# KiCad board keyboard_v2.kicad_pcb (continued)
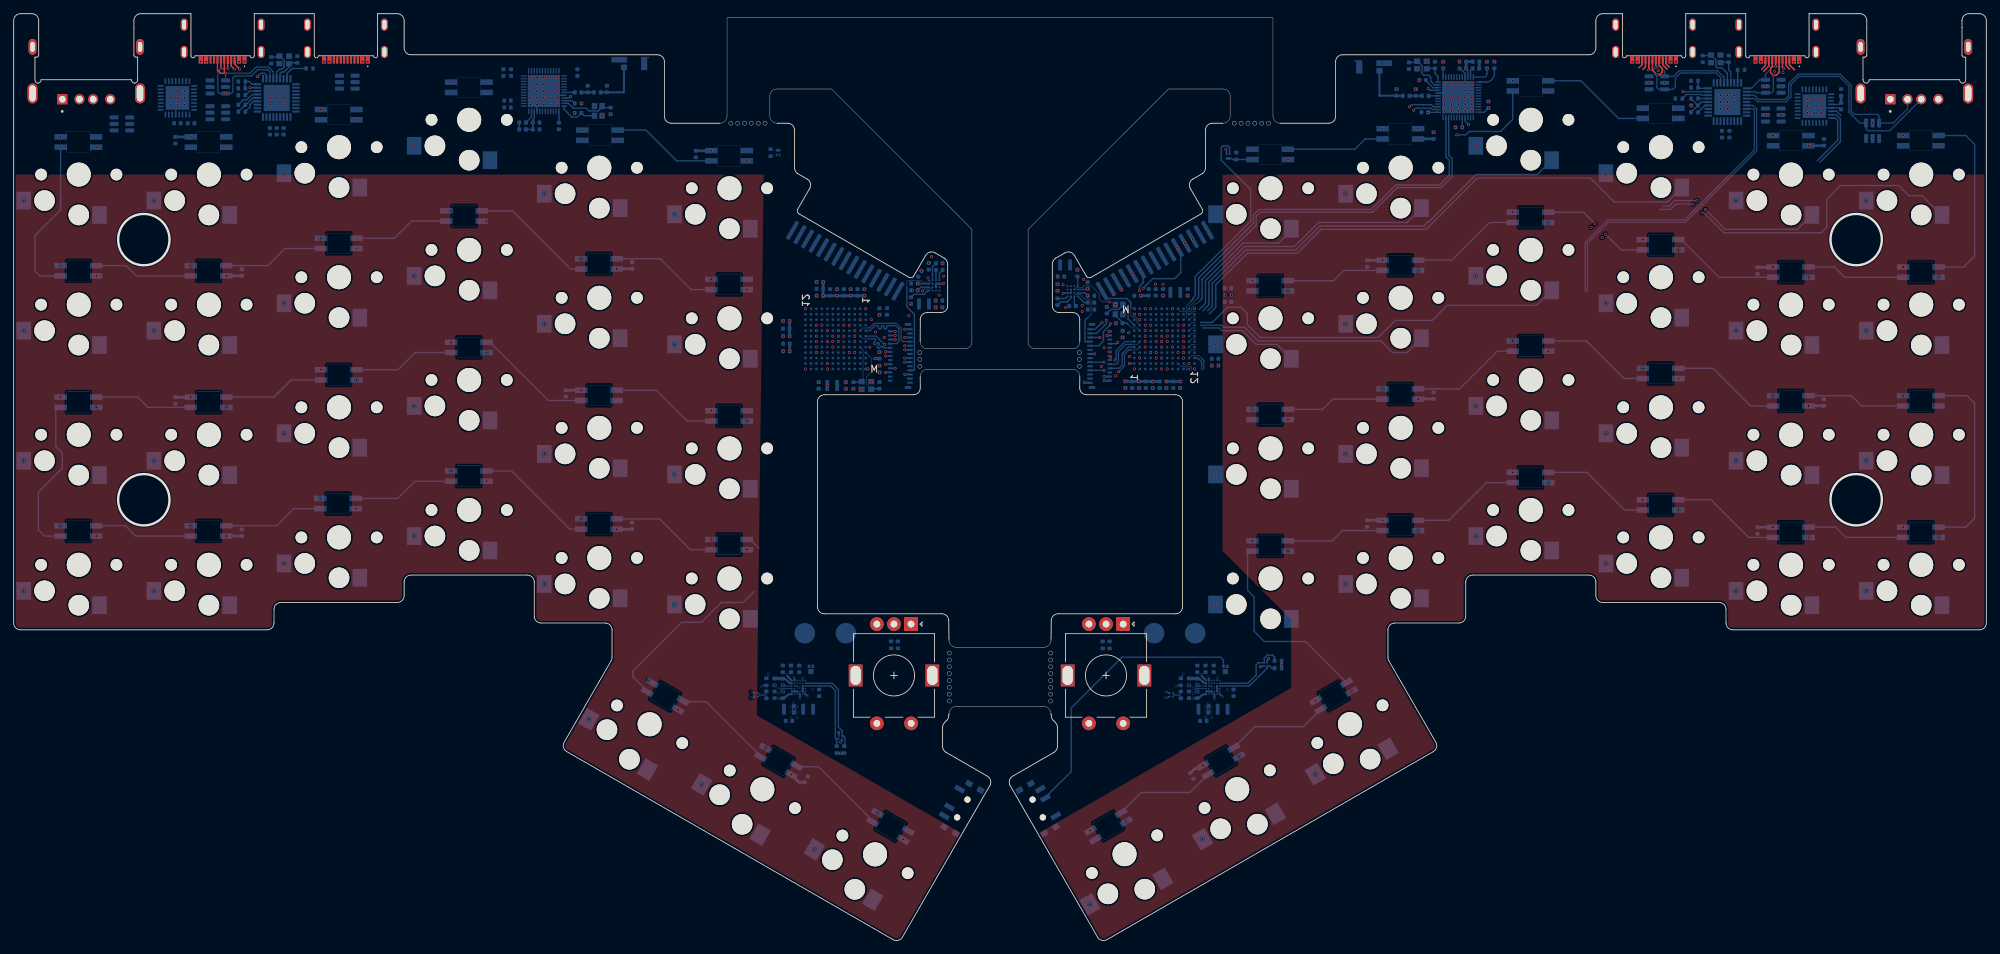
[diagram p0: board, top side]
## Nets (continued)
/Right/Display/VOUT: C404.1 U401.D1
/Right/Keys/ENC_A: R708.2
/Right/Keys/ENC_B: R709.2 SW701.A SW701.B
/Right/Keys/ENC_SW: SW701.S1
/Right/Keys/KEY_A7: SW703.2
/Right/Keys/KEY_A8: SW708.2
/Right/Keys/KEY_A9: SW713.2
/Right/Keys/KEY_A10: SW717.2
/Right/Keys/KEY_A11: SW721.2
/Right/Keys/KEY_A12: SW725.2
/Right/Keys/KEY_B7: SW704.2
/Right/Keys/KEY_B8: SW709.2
/Right/Keys/KEY_B9: SW714.2
/Right/Keys/KEY_B10: SW718.2
/Right/Keys/KEY_B11: SW722.2
/Right/Keys/KEY_B12: SW726.2
/Right/Keys/KEY_C7: SW705.2
/Right/Keys/KEY_C8: SW710.2
/Right/Keys/KEY_C9: SW715.2
/Right/Keys/KEY_C10: SW719.2
/Right/Keys/KEY_C11: SW723.2
/Right/Keys/KEY_C12: SW727.2
/Right/Keys/KEY_D7: SW706.2
/Right/Keys/KEY_D8: SW711.2
/Right/Keys/KEY_D9: SW716.2
/Right/Keys/KEY_D10: SW720.2
/Right/Keys/KEY_D11: SW724.2
/Right/Keys/KEY_D12: SW728.2
/Right/Keys/KEY_E4: SW712.2
/Right/Keys/KEY_E5: SW707.2
/Right/Keys/KEY_E6: SW702.2
/Right/Keys/LED1: D701.4 Q701.3 R701.2
/Right/Keys/LED2: D701.2 D704.4
/Right/Keys/LED3: D704.2 D707.4
/Right/Keys/LED4: D707.2 D710.4
/Right/Keys/LED5: D710.2 D713.4
/Right/Keys/LED6: D713.2 D716.4
/Right/Keys/LED7: D716.2 D719.4
/Right/Keys/LED8: D719.2 D722.4
/Right/Keys/LED9: D722.2 D725.4
/Right/Keys/LED10: D702.4 D725.2
/Right/Keys/LED11: D702.2 D705.4
/Right/Keys/LED12: D705.2 D708.4
/Right/Keys/LED13: D708.2 D711.4
/Right/Keys/LED14: D711.2 D714.4
/Right/Keys/LED15: D714.2 D717.4
/Right/Keys/LED16: D717.2 D720.4
/Right/Keys/LED17: D720.2 D723.4
/Right/Keys/LED18: D723.2 D726.4
/Right/Keys/LED19: D703.4 D726.2
/Right/Keys/LED20: D703.2 D706.4
/Right/Keys/LED21: D706.2 D709.4
/Right/Keys/LED22: D709.2 D712.4
/Right/Keys/LED23: D712.2 D715.4
/Right/Keys/LED24: D715.2 D718.4
/Right/Keys/LED25: D718.2 D721.4
/Right/Keys/LED26: D721.2 D724.4
/Right/Keys/LED27: D724.2 D727.4
/Right/Keys/NEOPIXEL: Q701.2 U801.M9
/Right/Main MCU/OSC_IN: C823.2 U801.H2 Y802.3
/Right/Main MCU/OSC_OUT: C824.2 U801.J1 Y802.1
/Right/Main MCU/PWR_ENCHG: IC501.F3
/Right/Main MCU/PWR_INT: IC501.A6
/Right/Main MCU/PWR_MR: IC501.E4 R501.2
/Right/Main MCU/RST: J301.15 U801.J2
/Right/Main MCU/SCL: IC501.A4 R802.2 U802.A2
/Right/Main MCU/SDA: IC501.A5 R801.2 U802.B1
/Right/Main MCU/SWCLK: J301.13 U801.B11
/Right/Main MCU/SWDIO: J301.14 U801.C10
/Right/Main MCU/USB_RST: J301.10 U604.6 U801.M3
/Right/Main MCU/USB_UART_RX: U604.7 U801.A8
/Right/Main MCU/USB_UART_TX: U604.8 U801.B7
/Right/Main MCU/VLXSMPS: L801.2 U801.M7
/Right/Main MCU/VREF+: C812.1 U801.H3
/Right/Power/BAT: Q501.3 SW502.1 TP501.1
/Right/Power/BAT_SW: Q501.1 SW502.2
/Right/Power/ISYS: U501.B2
/Right/Power/SW_1V8: IC501.E1 L501.1
/Right/Power/SWA_3V3: IC501.B1 L502.1
/Right/Power/SWB_3V3: IC501.A2 L502.2
/Right/Power/THR: IC501.B6 R502.1
/Right/Power/VSYS_MON: C504.1 IC501.E6 R503.1 U501.A1
/Right/USB/CFG_SEL1: R606.1 U605.25
/Right/USB/RBIAS: R605.1 U605.35
/Right/USB/SCL: R602.2 U604.19 U605.24
/Right/USB/SDA: R601.2 U604.21 U605.22
/Right/USB/SWCLK: J301.8 U604.25
/Right/USB/SWDIO: J301.9 U604.24
/Right/USB/USB0_CC1: J601.A5 U601.1 U604.18
/Right/USB/USB0_CC2: J601.B5 U601.3 U604.17
/Right/USB/USB0_DN: J601.A7 J601.B7 U601.6 U605.30
/Right/USB/USB0_DP: J601.A6 J601.B6 U601.4 U605.31
/Right/USB/USB0_RX: J601.B8 U606.6
/Right/USB/USB0_TX: J601.A8 U606.4
/Right/USB/USB1_CC1: J602.A5 U602.1 U604.26
/Right/USB/USB1_CC2: J602.B5 U602.3 U604.28
/Right/USB/USB1_DN: J602.A7 J602.B7 U602.6 U605.1
/Right/USB/USB1_DP: J602.A6 J602.B6 U602.4 U605.2
/Right/USB/USB1_RX: J602.B8 U606.3
/Right/USB/USB1_TX: J602.A8 U606.1
/Right/USB/USB2_DN: J603.2 U603.3 U605.3
/Right/USB/USB2_DP: J603.3 U603.1 U605.4
/Right/USB/USB3_DN: U605.6 U801.C12
/Right/USB/USB3_DP: U605.7 U801.C11
/Right/USB/USB_RST: U605.26
/Right/USB/XTAL1: C605.1 U605.33 Y601.3
/Right/USB/XTAL2: C604.1 U605.32 Y601.1

Pads without a net: D727 2; D1227 2; IC501 B5 C2 C5 D5 E3 E5; IC1401 B5 C2 C5 D5 E3 E5; J401 3 13; J1101 3 13; U603 4 6; U604 1 2 3 9 10 11 12 13 14 15 16 22 23 27 29 30 31 32; U605 5 8 9 11 12 13 16 17 18 19 20 21 28 34; U801 A2 A3 A4 A5 A9 A10 A11 B2 B3 B4 B5 B6 B8 B9 B10 B12 C1 C3 C4 C7 C8 C9 D2 D3 D6 D7 D8 D11 D12 E4 E5 E7 E9 E11 E12 F4 F8 F9 F11 F12 G1 G2 G4 G5 G9 G11 G12 H4 H6 H8 H9 H11 H12 J5 J6 J7 J8 J11 J12 K1 K3 K4 K5 K6 K7 K8 K9 K11 K12 L3 L4 L5 L6 L7 L9 L10 L11 L12 M2 M5 M6 M10; U901 2 3 4 5 6 7 8 9 10 11 13 14 15 18 19 20 21 24 28 29 30 38 39 40 41 42 43 44; U1001 2 3 4 5 6 7 8 9 10 11 13 14 15 18 19 20 21 24 28 29 30 38 39 40 41 42 43 44; U1301 A2 A3 A4 A5 A6 A7 A8 A9 A10 A11 B1 B2 B3 B4 B5 B6 B7 B8 B9 B10 B12 C1 C3 C4 C6 C7 C8 C9 D2 D3 D6 D7 D8 D11 D12 E4 E5 E7 E9 E11 E12 F4 F8 F9 F11 F12 G1 G2 G4 G5 G9 G11 G12 H4 H6 H8 H9 H11 H12 J5 J6 J7 J8 J11 J12 K1 K2 K3 K4 K5 K6 K7 K8 K9 K10 K11 K12 L1 L2 L3 L4 L5 L6 L7 L9 L10 L11 L12 M2 M3 M4 M5 M6 M9 M10 M11; U1503 4 6; U1504 1 2 3 7 8 9 10 11 12 13 14 15 16 22 23 27 29 30 31 32; U1505 5 8 9 11 12 13 16 17 18 19 20 21 28 34

## Via types
v1: diameter 0.4, hole 0.3, Top to Bottom, 599 vias

## Routing (per net, layer and track width the routed paths; a pad name or vN(x,y) marks a point on that pad's centre or on a via; arc(x,y) is an arc through that point)
+1V8: length 31.6
  Bottom w0.15: 113.99,33.68 v1(113.91,33.75) ; 174.5,33.68 v1(174.43,33.75)
  Bottom w0.2: v1(177,115.55) 177.07,115.48 Q701.1 ; U802.A1 182.1,40.05 v1(182,39.95) ; U901.12 214.68,120.95 215.28,121.55 v1(215.3,121.55) C912.1 ; 121.24,27.34 R1301.1 ; v1(120.45,30.35) U1302.A1 ; U901.48 214.64,126.1 arc(214.95,126.23) 215.08,126.55 215.08,127.34 v1(215.1,127.35) 215.08,127.37 C910.1 ; v1(211.48,118.75) 211.5,118.77 U901.17 ; v1(206.5,120.95) U901.25 ; C1007.1 U1001.37 ; J1101.17 v1(130.1,84.45) ; U901.37 v1(208.7,127.37) ; J1101.5 v1(130.1,88.05) ; 162.32,81.63 v1(162.3,81.65)
  Bottom w0.4: 121.24,27.34 v1(120.73,27.34) R1302.1 ; R801.1 v1(185.11,40.26) R802.1 ; v1(164.58,94.15) 164.6,94.17 C807.1 ; v1(113.3,86.05) C1319.1 ; C805.1 162.32,81.63 ; v1(124.2,94.15) v1(118.18,94.15) v1(118.18,96.15)
  vias: v1(113.48,34.09) v1(113.49,33.35) v1(113.49,32.55) v1(113.89,34.65) v1(114.39,34.15) v1(114.39,33.35) v1(114.39,32.55) v1(117.2,89.05) v1(117.2,87.45) v1(117.2,85.85) v1(118.8,89.05) v1(118.8,87.45) v1(118.8,83.45) v1(119.6,86.65) v1(120.2,94.15) v1(121.2,88.25) v1(121.2,86.65) v1(121.5,81.53) v1(122,85.85) v1(122.2,94.15) v1(122.8,89.05) v1(123.6,90.65) v1(126.4,83.93) v1(163.3,97.38) v1(164.3,81.63) v1(164.4,85.05) v1(165.2,86.65) v1(166,89.85) v1(166.3,81.63) v1(166.8,89.05) v1(166.8,87.45) v1(168.4,89.05) v1(169.2,92.25) v1(169.2,88.25) v1(169.2,86.65) v1(170.8,89.85) v1(170.8,88.25) v1(170.8,86.65) v1(171.4,94.17) v1(173.99,34.09) v1(174,33.35) v1(174,32.55) v1(174.4,34.65) v1(174.92,83.95) v1(174.9,34.15) v1(174.9,33.35) v1(174.9,32.55) v1(176.9,94.25)
+3V3: length 19.3
  Bottom w0.2: 113.28,90.43 v1(113.3,90.45) ; U605.23 246.38,122.45 C608.1 ; R601.1 245.88,121.94 C608.1 ; U604.4 266.57,122.1 C601.1 ; U1505.29 36.9,126.35 36.6,126.65 36.1,126.65 v1(35.6,126.15) ; R1501.1 33.8,122.05 R1502.1 33.9,122.05 34.9,123.05 U1505.23 ; R602.1 245.88,121.96 C608.1 ; J1101.23 v1(130.1,82.65) ; J401.23 v1(158.6,88.05)
  Bottom w0.4: v1(170.3,81.63) v1(168.3,81.63) ; C602.1 C601.1 ; v1(113.28,88.25) 113.28,90.43
  vias: v1(116.69,36.65) v1(117.2,89.85) v1(120.4,89.05) v1(167.6,86.65) v1(170.8,85.85) v1(177.2,36.65)
/Left/Display/AVDD: length 2.6
  Bottom w0.2: J1101.4 v1(128.7,88.35) ; v1(131.98,94.95) 132.43,95.4 U1101.D2
/Left/Display/AVDDEN: length 6.1
  In1.Cu w0.2: v1(132.7,94.85) 132.7,93.25 v1(130.7,91.25)
  Bottom w0.1: v1(132.7,94.85) 133,95.15 133.9,95.15 U1101.C2
/Left/Main MCU/VDD11:
  vias: v1(117.53,81.53) v1(118,85.85) v1(118.78,81.05) v1(122,89.85) v1(122.8,87.45) v1(126.4,91.35)
/Left/USB/VBUS_DET: length 3
  Bottom w0.2: U1505.27 34.8,125.05 34.4,125.45 R1503.1 R1504.2
/Right/Display/AVDD: length 2.3
  Bottom w0.2: U401.D2 156.69,95.06 156.78,95.15 v1(156.8,95.15) C406.1
  Bottom w0.3: J401.4 v1(159.2,82.35)
/Right/Display/AVDDEN: length 11.4
  In1.Cu w0.2: v1(160,93.25) 160,92.92 160.87,92.05 163,92.05 v1(163.6,91.45)
  Bottom w0.1: v1(160,93.25) 158.9,93.25 158.5,93.65 158.5,94.45 157.3,95.65 156.3,95.65 155.96,95.31 155.1,95.31 U401.C2
/Right/Main MCU/VDD11:
  vias: v1(165.2,88.25) v1(166,85.85) v1(167.8,94.17) v1(170,89.85)
/Right/USB/VBUS_DET: length 2.5
  Bottom w0.2: R604.2 R603.1 246.01,124.45 U605.27
GND: length 71.1
  Bottom w0.1: v1(254.3,128.35) 254.8,128.85 260.2,128.85 v1(260.7,128.35) ; v1(51.7,128.35) 51.2,128.85 45.8,128.85 v1(45.3,128.35) ; v1(33.7,128.35) 33.2,128.85 27.8,128.85 v1(27.3,128.35) ; v1(242.7,128.35) 242.2,128.85 236.8,128.85 v1(236.3,128.35)
  Bottom w0.12: IC1401.A1 IC1401.B2 ; IC501.A1 IC501.B2
  Bottom w0.15: IC1401.F4 112.41,37.15 v1(112.29,37.27) ; v1(172.8,37.27) 172.92,37.15 IC501.F4 ; R502.2 169.89,37.24 v1(169.7,37.05) ; v1(109.19,37.05) 109.38,37.24 R1402.2
  Bottom w0.2: U901.32 210.3,123.75 v1(210.9,123.15) v1(211.9,124.15) U901.45 211.9,126.64 211.19,127.35 C915.2 ; C1004.1 v1(81.9,120.85) ; U1504.5 23.65,122.8 v1(23.9,123.05) ; J1101.14 v1(127.3,85.35) ; 135.69,95.9 v1(135.74,95.95) ; U1001.32 78,123.45 v1(77.4,124.05) v1(76.4,123.05) U1001.45 ; v1(262.9,121.85) 263.15,121.6 U604.5 266.57,121.6 C601.2 ; 168.7,35.6 168.64,35.54 arc(168.54,35.47) 168.43,35.45 v1(168.15,35.45) ; J1101.6 v1(128.7,87.75) ; U401.B2 U401.B3 U401.A3 153.31,94.56 v1(153.2,94.45) ; U802.B2 182.98,40.9 v1(183.2,41.13) ; 108.19,35.6 108.13,35.54 arc(108.03,35.47) 107.92,35.45 v1(107.64,35.45) ; J1101.12 v1(127.3,85.95) ; U1302.B2 120.95,29.16 v1(120.75,28.96) ; J1101.15 v1(130.1,85.05) ; J1101.22 v1(127.3,82.95) ; J1101.18 v1(127.3,84.15)
  Bottom w0.3: IC1401.F1 113.46,35.95 arc(113.12,35.88) 112.83,35.69 112.64,35.5 arc(112.47,35.39) 112.28,35.35 v1(111.69,35.35) ; IC501.A1 v1(176.48,35.57) ; U1101.B2 U1101.B3 U1101.A3 135.69,95.9 ; IC1401.B2 IC1401.B3 IC1401.B4 ; IC501.F1 173.97,35.95 arc(173.63,35.88) 173.34,35.69 173.15,35.5 arc(172.98,35.39) 172.79,35.35 v1(172.2,35.35) ; IC1401.A1 v1(115.97,35.57) ; IC501.B2 IC501.B3 IC501.B4
  Bottom w0.4: v1(124.7,83.45) U1301.M1
  vias: v1(1.46,108.05) v1(1.46,89.05) v1(1.46,70.05) v1(1.46,51.05) v1(6.85,98.55) v1(6.85,60.55) v1(12.05,115.85) v1(12.05,77.85) v1(20.46,108.05) v1(20.46,89.05) v1(20.46,70.05) v1(20.46,51.05) v1(22.9,124.05) v1(22.9,123.05) v1(22.9,122.05) v1(23.9,124.05) v1(23.9,122.05) v1(24.9,124.05) v1(24.9,123.05) v1(24.9,122.05) v1(25.85,98.55) v1(25.85,60.55) v1(31.05,115.85) v1(31.05,77.85) v1(37.4,124.05) v1(37.4,123.05) v1(37.4,122.05) v1(38.4,124.05) v1(38.4,123.05) v1(38.4,122.05) v1(39.4,124.05) v1(39.4,123.05) v1(39.4,122.05) v1(39.46,112.05) v1(39.46,93.05) v1(39.46,74.05) v1(39.46,55.05) v1(44.75,64.55) v1(44.85,102.55) v1(50.05,119.85) v1(50.05,81.85) v1(58.46,116.05) v1(58.46,97.05) v1(58.46,78.05) v1(58.46,59.05) v1(63.85,106.55) v1(63.85,68.55) v1(69.05,123.85) v1(69.05,85.85) v1(75.4,126.05) v1(75.4,125.05) v1(75.4,124.05) v1(75.4,123.05) v1(75.4,122.05) v1(76.4,126.05) v1(76.4,125.05) v1(76.4,124.05) v1(76.4,122.05) v1(77.4,126.05) v1(77.4,125.05) v1(77.4,123.05) v1(77.4,122.05) v1(77.46,109.05) v1(77.46,90.05) v1(77.46,71.05) v1(77.46,52.05) v1(78.4,126.05) v1(78.4,125.05) v1(78.4,124.05) v1(78.4,123.05) v1(78.4,122.05) v1(79.4,126.05) v1(79.4,125.05) v1(79.4,124.05) v1(79.4,123.05) v1(79.4,122.05) v1(82.85,99.55) v1(82.85,61.55) v1(82.88,122.25) v1(83.99,32.28) v1(84.8,121.85) v1(85.9,120.45) v1(87.15,120.67) v1(88.2,116.85) v1(92.62,37.95) v1(96.46,106.05) v1(96.46,87.05) v1(96.46,68.05) v1(96.46,49.05) v1(100.44,22.78) v1(101.85,96.55) v1(101.85,58.55) v1(107.05,113.85) v1(107.05,75.85) v1(109.77,28.1) v1(112.34,90.45) v1(112.32,88.25) v1(112.34,86.05) v1(115.6,92.25) v1(115.6,83.45) v1(116.9,13.28) v1(117.22,96.15) v1(117.22,94.15) v1(117.2,88.25) v1(117.2,86.65) v1(117.53,80.57) v1(118,89.85) v1(118.8,84.25) v1(119.6,88.25) v1(119.6,87.45) v1(120.2,95.11) v1(120.4,88.25) v1(120.4,87.45) v1(121.2,89.85) v1(121.5,80.57) v1(122.2,95.11) v1(122.6,80.57) v1(122.8,88.25) v1(122.8,85.85) v1(123.8,80.5) v1(124.2,95.11) v1(124.4,92.25) v1(125,86.65) v1(125.2,90.65) v1(125.2,81.6) v1(125.8,88.85) v1(126.12,18.6) v1(126.4,85.93) v1(126.4,82.97) v1(127.1,88.05) v1(130.1,86.85) v1(130.9,93.05) v1(131.2,94.95) v1(132.54,97.77) v1(133.6,98.93) v1(134,99.85) v1(135.62,98.9) v1(135.58,93.45) v1(135.58,92.45) v1(135.74,97) v1(152.4,94.87) v1(153.38,96.95) v1(153.6,92.45) v1(155.3,97.93) v1(156.2,96.55) v1(157.12,5.27) v1(157.8,85.65) v1(158.8,83.85) v1(159.2,86.55) v1(159.6,92.53) v1(160.1,85.15) v1(160.85,92.85) v1(160.92,90.15) v1(160.9,82.45) v1(161.95,91.45) v1(161.9,88.07) v1(162.2,96.74) v1(162.3,80.69) v1(162.43,17.35) v1(162.8,88.75) v1(162.9,85.25) v1(163.6,92.25) v1(163.6,83.45) v1(164.3,80.67) v1(165.2,89.85) v1(165.2,87.45) v1(166.3,80.67) v1(166.7,95.85) v1(166.8,85.85) v1(167.6,88.25) v1(167.6,87.45) v1(167.8,95.85) v1(168.3,80.67) v1(168.4,88.25) v1(168.4,87.45) v1(169.2,91.45) v1(170,85.85) v1(170.3,80.67) v1(170.8,89.05) v1(170.8,87.45) v1(172.4,92.25) v1(172.4,83.45) v1(173.58,14.77) v1(175.46,87.05) v1(175.46,68.05) v1(175.46,49.05) v1(175.88,83.95) v1(177.78,94.25) v1(178.89,26.85) v1(180.85,115.55) v1(180.85,77.55) v1(186.05,94.85) v1(186.05,56.85) v1(190.03,24.27) v1(194.46,109.05) v1(194.46,90.05) v1(194.46,71.05) v1(194.46,52.05) v1(195.34,36.35) v1(199.85,118.55) v1(199.85,80.55) v1(201.9,124.33) v1(204.7,124.33) v1(204.9,127.3) v1(205.05,97.85) v1(205.05,59.85) v1(205.22,125.65) v1(206.3,128.4) v1(207.3,118.03) v1(208.7,128.33) v1(208.9,125.15) v1(208.9,124.15) v1(208.9,123.15) v1(208.9,122.15) v1(208.9,121.15) v1(209.9,125.15) v1(209.9,124.15) v1(209.9,123.15) v1(209.9,122.15) v1(209.9,121.15) v1(210.52,118.75) v1(210.9,125.15) v1(210.9,124.15) v1(210.9,122.15) v1(210.9,121.15) v1(211.08,128.35) v1(211.9,125.15) v1(211.9,123.15) v1(211.9,122.15) v1(211.9,121.15) v1(212.9,125.15) v1(212.9,124.15) v1(212.9,123.15) v1(212.9,122.15) v1(212.9,121.15) v1(213.46,116.05) v1(213.46,97.05) v1(213.46,78.05) v1(213.46,59.05) v1(215.08,128.33) v1(215.3,122.53) v1(216.19,128.33) v1(218.85,125.55) v1(218.85,87.55) v1(224.05,104.85) v1(224.05,66.85) v1(230.3,104.15) v1(231.9,102.65) v1(232.46,112.05) v1(232.46,93.05) v1(232.46,74.05) v1(232.46,55.05) v1(237.85,121.55) v1(237.85,83.55) v1(238.76,125.25) v1(240.1,127.05) v1(243.05,100.85) v1(243.05,62.85) v1(244.92,121.95) v1(249.2,123.45) v1(249.2,122.45) v1(249.2,121.45) v1(250.2,123.45) v1(250.2,122.45) v1(250.2,121.45) v1(251.2,123.45) v1(251.2,122.45) v1(251.2,121.45) v1(251.46,108.05) v1(251.46,89.05) v1(251.46,70.05) v1(251.46,51.05) v1(256.85,117.55) v1(256.85,79.55) v1(257.1,126.95) v1(258.04,124.75) v1(258.04,120.55) v1(258.3,126.75) v1(261.9,122.85) v1(261.9,121.85) v1(261.9,120.85) v1(262.05,96.85) v1(262.05,58.85) v1(262.9,122.85) v1(262.9,120.85) v1(263.9,122.85) v1(263.9,121.85) v1(263.9,120.85) v1(270.46,108.05) v1(270.46,89.05) v1(270.46,70.05) v1(270.46,51.05) v1(271.4,119.39) v1(275.85,117.55) v1(275.85,79.55) v1(281.05,96.85) v1(281.05,58.85)
VBUS: length 43.1
  Bottom w0.3: IC501.F6 173.54,38.51 arc(173.44,38.67) v1(173.4,38.85) ; IC1401.F6 113.03,38.51 arc(112.93,38.67) v1(112.89,38.85)
  Bottom w0.4: v1(262.05,78.05) 262.07,78.07 C1205.1 ; C1201.1 205.07,117.07 v1(205.05,117.05) ; C1202.1 205.07,79.07 v1(205.05,79.05) ; v1(31.05,97.05) 31.07,97.07 C708.1 ; C1208.1 256.81,98.31 v1(256.85,98.35) ; C1207.1 172.4,25.05 173.13,25.05 v1(173.63,25.55) ; C1206.1 v1(199.85,61.35) ; C709.1 v1(82.85,80.35) ; v1(25.85,79.35) 25.83,79.33 C702.1 ; v1(88.05,98.05) 88.09,98.09 C705.1 ; v1(101.85,115.35) 101.83,115.33 C704.1 ; v1(199.85,99.35) 199.83,99.33 C1203.1 ; C701.1 v1(25.85,117.35) ; C707.1 114.64,23.09 v1(113.53,24.2) ; v1(262.05,116.05) 262.07,116.07 C1204.1 ; C703.1 v1(31.05,59.05) ; C706.1 v1(88.05,60.05) ; v1(256.85,60.35) 256.83,60.33 C1209.1
  vias: v1(6.85,117.35) v1(6.85,79.35) v1(12.05,97.05) v1(12.05,59.05) v1(28.1,128.35) v1(32.9,128.35) v1(44.85,121.35) v1(44.85,83.35) v1(46.1,128.35) v1(49.95,63.05) v1(50.05,101.05) v1(50.9,128.35) v1(63.85,125.35) v1(63.85,87.35) v1(69.05,105.05) v1(69.05,67.05) v1(83,118.35) v1(96.98,33.7) v1(101.85,77.35) v1(107.05,95.05) v1(107.05,57.05) v1(129.87,14.7) v1(157.18,16.05) v1(180.85,96.35) v1(180.85,58.35) v1(186.05,114.05) v1(186.05,76.05) v1(190.09,35.05) v1(218.85,106.35) v1(218.85,68.35) v1(224.05,124.05) v1(224.05,86.05) v1(237.1,128.35) v1(237.85,102.35) v1(237.85,64.35) v1(241.04,125.25) v1(241.9,128.35) v1(243.05,120.05) v1(243.05,82.05) v1(255.1,128.35) v1(255.76,124.75) v1(255.76,120.55) v1(259.9,128.35) v1(271.4,117.11) v1(275.85,98.35) v1(275.85,60.35) v1(280.35,78.05) v1(281.05,116.05)
VDD: length 5.6
  Bottom w0.3: C502.1 172.91,38.23 arc(173.1,38.19) 173.27,38.09 173.65,37.7 arc(173.82,37.59) 174.01,37.55 IC501.F5 ; C1402.1 112.4,38.23 arc(112.59,38.19) 112.76,38.09 113.14,37.7 arc(113.31,37.59) 113.5,37.55 IC1401.F5
  Bottom w0.5: 111.02,38.23 C1402.1 ; 171.53,38.23 C502.1
+VSYS: length 7.4
  Bottom w0.09: 169.2,36.11 169.33,35.98 arc(169.35,35.96) 169.38,35.95 170.3,35.95 arc(170.37,35.98) 170.4,36.05 R503.2 ; 108.69,36.11 108.82,35.98 arc(108.84,35.96) 108.87,35.95 109.79,35.95 arc(109.86,35.98) 109.89,36.05 R1403.2
  Bottom w0.12: IC1401.D2 IC1401.C1 ; IC501.D2 IC501.C1
  Bottom w0.3: IC1401.F2 IC1401.E2 IC1401.D2 ; v1(175.3,35.25) IC501.C1 ; IC501.D2 IC501.E2 IC501.F2 ; v1(114.79,35.25) IC1401.C1 ; 172.82,36.35 v1(172.8,36.33) ; 112.31,36.35 v1(112.29,36.33)
  vias: v1(111.69,36.05) v1(134.62,93.45) v1(134.6,92.45) v1(135.1,94.25) v1(152.4,96.95) v1(152.4,95.85) v1(153.2,95.75) v1(172.2,36.05)
/Left/Bluetooth/ANT: length 7.1
  Bottom w0.3: L1005.2 85.71,123.87 C1006.1 89.1,123.87 ANT201.2
/Left/Bluetooth/DCC1: length 2
  Bottom w0.2: U1001.47 75.6,120.27 74.78,119.45
/Left/Bluetooth/DCC2: length 1
  Bottom w0.2: L1001.2 L1006.1
/Left/Bluetooth/DEC3: length 1.7
  Bottom w0.2: U1001.34 81.52,122.65 C1013.1
/Left/Bluetooth/DEC4_6: length 12.1
  In1.Cu w0.2: v1(81.3,123.25) 81.3,122.75 79.8,121.25 77.6,121.25 v1(75.8,119.45)
  Bottom w0.2: v1(81.3,123.25) 81.1,123.05 U1001.33 ; 74.78,118.45 C1015.1 v1(75.8,119.45) 75.8,119.85 76,120.05 U1001.46
/Left/Bluetooth/RF1: length 1.6
  Bottom w0.2: U1001.31 L1002.1
/Left/Bluetooth/RF2: length 1.8
  Bottom w0.3: 84.72,123.85 83.82,123.85 C1005.1 83.78,123.85 82.88,123.85
/Left/Bluetooth/XC1: length 7.7
  Bottom w0.2: U1001.35 81,122.25 81.7,121.55 83.6,121.55 84,121.15 85.35,121.15 85.9,121.7 Y1002.3 86.12,121.63 C1003.2
/Left/Bluetooth/XC2: length 5.8
  Bottom w0.2: U1001.36 80.35,121.4 81.5,120.25 82.28,120.25 C1004.2 83.28,120.45 Y1002.1
/Left/Display/C1N: length 1.5
  Bottom w0.2: C1103.2 134.65,97.89 U1101.B4
/Left/Display/C1P: length 1.7
  Bottom w0.2: U1101.A4 135.15,97.43 C1103.1
/Left/Display/DSI_CKN: length 7.3
  In1.Cu w0.18: v1(130.1,86.25) 128,86.25 v1(127.2,87.05)
  Bottom w0.18: v1(127.2,87.05) 127.1,87.05 125.9,88.25 U1301.F1 ; J1101.11 v1(130.1,86.25)
/Left/Display/DSI_CKP: length 7
  Bottom w0.1: U1301.F2 124,87.85 124.8,87.85
  Bottom w0.18: J1101.10 127,86.55 126.82,86.73 arc(126.71,86.78) 126.61,86.73 126.38,86.51 arc(126.28,86.46) 126.17,86.51 126.11,86.56 arc(126.07,86.67) 126.11,86.78 126.34,87 arc(126.38,87.11) 126.34,87.21 126.28,87.27 arc(126.18,87.31) 126.07,87.27 125.85,87.04 arc(125.74,87) 125.63,87.04 125.58,87.1 arc(125.53,87.21) 125.58,87.31 125.8,87.54 arc(125.84,87.64) 125.8,87.75 125.7,87.85 124.8,87.85
/Left/Display/DSI_D0N: length 9.9
  Bottom w0.18: U1301.E1 125.03,89.05 125.77,89.79 126.1,89.79 arc(126.21,89.74) 126.26,89.63 126.26,89.46 arc(126.3,89.35) 126.42,89.3 126.5,89.3 arc(126.61,89.35) 126.66,89.46 126.66,89.63 arc(126.7,89.74) 126.82,89.79 126.9,89.79 arc(127.01,89.74) 127.06,89.63 127.06,89.46 arc(127.1,89.35) 127.22,89.3 127.3,89.3 arc(127.41,89.35) 127.46,89.46 127.46,89.63 arc(127.5,89.74) 127.62,89.79 128.73,89.79 129.24,89.28 129.24,87.49 128.9,87.15 J1101.8
/Left/Display/DSI_D0P: length 9.8
  Bottom w0.1: 124.7,89.45 124,89.45 U1301.E2
  Bottom w0.18: J1101.7 129.87,87.45 129.56,87.75 129.56,89.42 128.87,90.12 125.63,90.12 124.97,89.45 124.7,89.45
/Left/Display/DSI_TE: length 0.7
  Bottom w0.2: J1101.20 v1(128.7,83.55)
/Left/Display/ELVDD: length 2.4
  Bottom w0.2: J1101.2 v1(128.7,88.95) ; U1101.D3 132.03,95.9 v1(131.98,95.95)
/Left/Display/ELVSS: length 0.8
  Bottom w0.2: J1101.1 v1(130.1,89.25)
  vias: v1(133.5,96.75)
/Left/Display/SWIRE: length 18
  Bottom w0.1: 130.4,95.45 130.4,96.15 130.66,96.41 132.34,96.41 132.6,96.15 133.9,96.15 U1101.C3
  Bottom w0.2: 130.4,95.45 130.4,92.55 131.5,91.45 131.5,83.35 131.4,83.25 J1101.21
/Left/Display/VON: length 2.7
  Bottom w0.2: 134.15,96.4 134.15,97.19 134.14,97.2 134.14,98.38 C1105.1
/Left/Display/VOUT: length 3.1
  Bottom w0.2: U1101.D1 133.46,94.9 132.91,94.35 131.42,94.35 C1104.1
/Left/Keys/LED2: length 15.5
  Bottom w0.2: D1204.4 92.3,118.35 96.8,113.85 D1201.2
/Left/Keys/LED7: length 23.7
  Bottom w0.2: D1216.2 6.85,106.7 3.1,102.95 3.1,97.75 3.8,97.05 D1219.4
/Left/Keys/LED8: length 14.4
  Bottom w0.2: D1222.4 17.9,97.05 16.4,98.55 D1219.2
/Left/Keys/LED9: length 14.8
  Bottom w0.2: D1225.4 39.6,101.05 37.1,98.55 D1222.2
/Left/Keys/LED10: length 14.8
  Bottom w0.2: D1225.2 55.6,102.55 58.1,105.05 63.85,105.05
/Left/Keys/LED11: length 17.3
  Bottom w0.2: D1205.4 81.3,98.05 72.8,106.55 69.05,106.55
/Left/Keys/LED12: length 15.7
  Bottom w0.2: D1208.4 98.9,95.05 94.4,99.55 D1205.2
/Left/Keys/LED14: length 15.7
  Bottom w0.2: D1214.4 93.8,80.35 98.3,75.85 D1211.2
/Left/Keys/LED15: length 17.3
  Bottom w0.2: D1214.2 78.04,78.85 69.54,87.35 D1217.4
/Left/Keys/LED16: length 14.8
  Bottom w0.2: D1217.2 58.6,85.85 56.1,83.35 D1220.4
/Left/Keys/LED17: length 14.8
  Bottom w0.2: D1220.2 40.5,81.85 38,79.35 D1223.4
/Left/Keys/LED18: length 14.4
  Bottom w0.2: D1226.4 18.1,79.35 19.6,77.85 D1223.2
/Left/Keys/LED19: length 23.4
  Bottom w0.2: 6.15,77.85 6.15,72.1 7.1,71.15 7.1,68.95 3.6,65.45 3.6,59.95 4.5,59.05 D1203.4
/Left/Keys/LED20: length 14.4
  Bottom w0.2: D1203.2 16.3,60.55 17.8,59.05 D1206.4
/Left/Keys/LED21: length 14.7
  Bottom w0.2: D1206.2 38.4,60.55 40.9,63.05 D1209.4
/Left/Keys/LED22: length 14.9
  Bottom w0.2: D1209.2 56.1,64.55 58.6,67.05 D1212.4
/Left/Keys/LED23: length 17.3
  Bottom w0.2: D1215.4 81.2,60.05 72.7,68.55 D1212.2
/Left/Keys/LED24: length 15.7
  Bottom w0.2: D1215.2 94.3,61.55 98.8,57.05 D1218.4
/Left/Keys/LED25: length 28.7
  Bottom w0.2: D1218.2 107.54,58.55 108.8,57.29 ; D1221.4 92.48,36.42 90.4,38.5 90.4,39.35 97.5,46.45 100.4,46.45 103.3,49.35 106.5,49.35 108.1,50.95
/Left/Keys/LED26: length 14.8
  Bottom w0.2: D1221.2 97.88,34.85 101.1,34.85 109.02,26.93 D1224.4
/Left/Keys/LED27: length 14.6
  Bottom w0.2: D1227.4 125.37,17.48 117.5,25.35 114.43,25.35 D1224.2
/Left/Main MCU/OSC_IN: length 6.5
  Bottom w0.1: Y1302.3 124,81.8 124,86.25 U1301.H2
  Bottom w0.2: Y1302.3 123.73,81.53 C1323.2
/Left/Main MCU/OSC_OUT: length 7.5
  Bottom w0.1: U1301.J1 125.2,85.05 125.2,83 124.5,82.3 124.5,81.15 125.15,80.5 Y1302.1
  Bottom w0.2: Y1302.1 125.27,80.57 C1324.2
/Left/Main MCU/PWR_ENCHG: length 1.9
  Bottom w0.12: IC1401.F3 113.54,36.8 v1(111.69,36.8)
/Left/Main MCU/PWR_MR: length 0.7
  Bottom w0.15: v1(114.59,36.95) 114.47,37.08 arc(114.38,37.13) 114.28,37.15 IC1401.E4
  vias: v1(111.09,37.24)
/Left/Main MCU/SCL: length 13.2
  Bottom w0.2: 120.15,29.36 119.95,29.56 119.95,36.5 119.3,37.15 IC1401.A4 ; 120.15,29.36 120.24,29.45 U1302.A2 ; 120.15,29.36 120.15,28.37 R1302.2
/Left/Main MCU/SDA: length 14
  Bottom w0.2: IC1401.A5 119.5,37.55 120.4,36.65 120.4,31.15 120.95,30.6 U1302.B1 121.16,29.85 121.35,29.66 121.35,28.47 R1301.2
/Left/Main MCU/VREF+: length 0.7
  Bottom w0.4: v1(125.72,84.97) C1312.1
/Left/Power/ISYS: length 0.6
  Bottom w0.2: v1(107.64,36.25) 107.92,36.25 arc(108.03,36.23) 108.13,36.16 108.19,36.11
/Left/Power/THR: length 1.2
  Bottom w0.15: R1402.1 109.97,38.34 arc(110.15,38.61) v1(110.21,38.93) ; IC1401.B6 v1(115.19,38.35)
/Left/Power/VSYS_MON: length 2.2
  Bottom w0.09: R1403.1 109.89,35.65 arc(109.86,35.72) 109.79,35.75 108.87,35.75 arc(108.84,35.74) 108.82,35.72 108.69,35.6
  Bottom w0.15: 113.99,38.35 v1(113.89,38.45)